# Altium PCB EBAZ4205.PcbDoc (part 1 of 6) (continued)
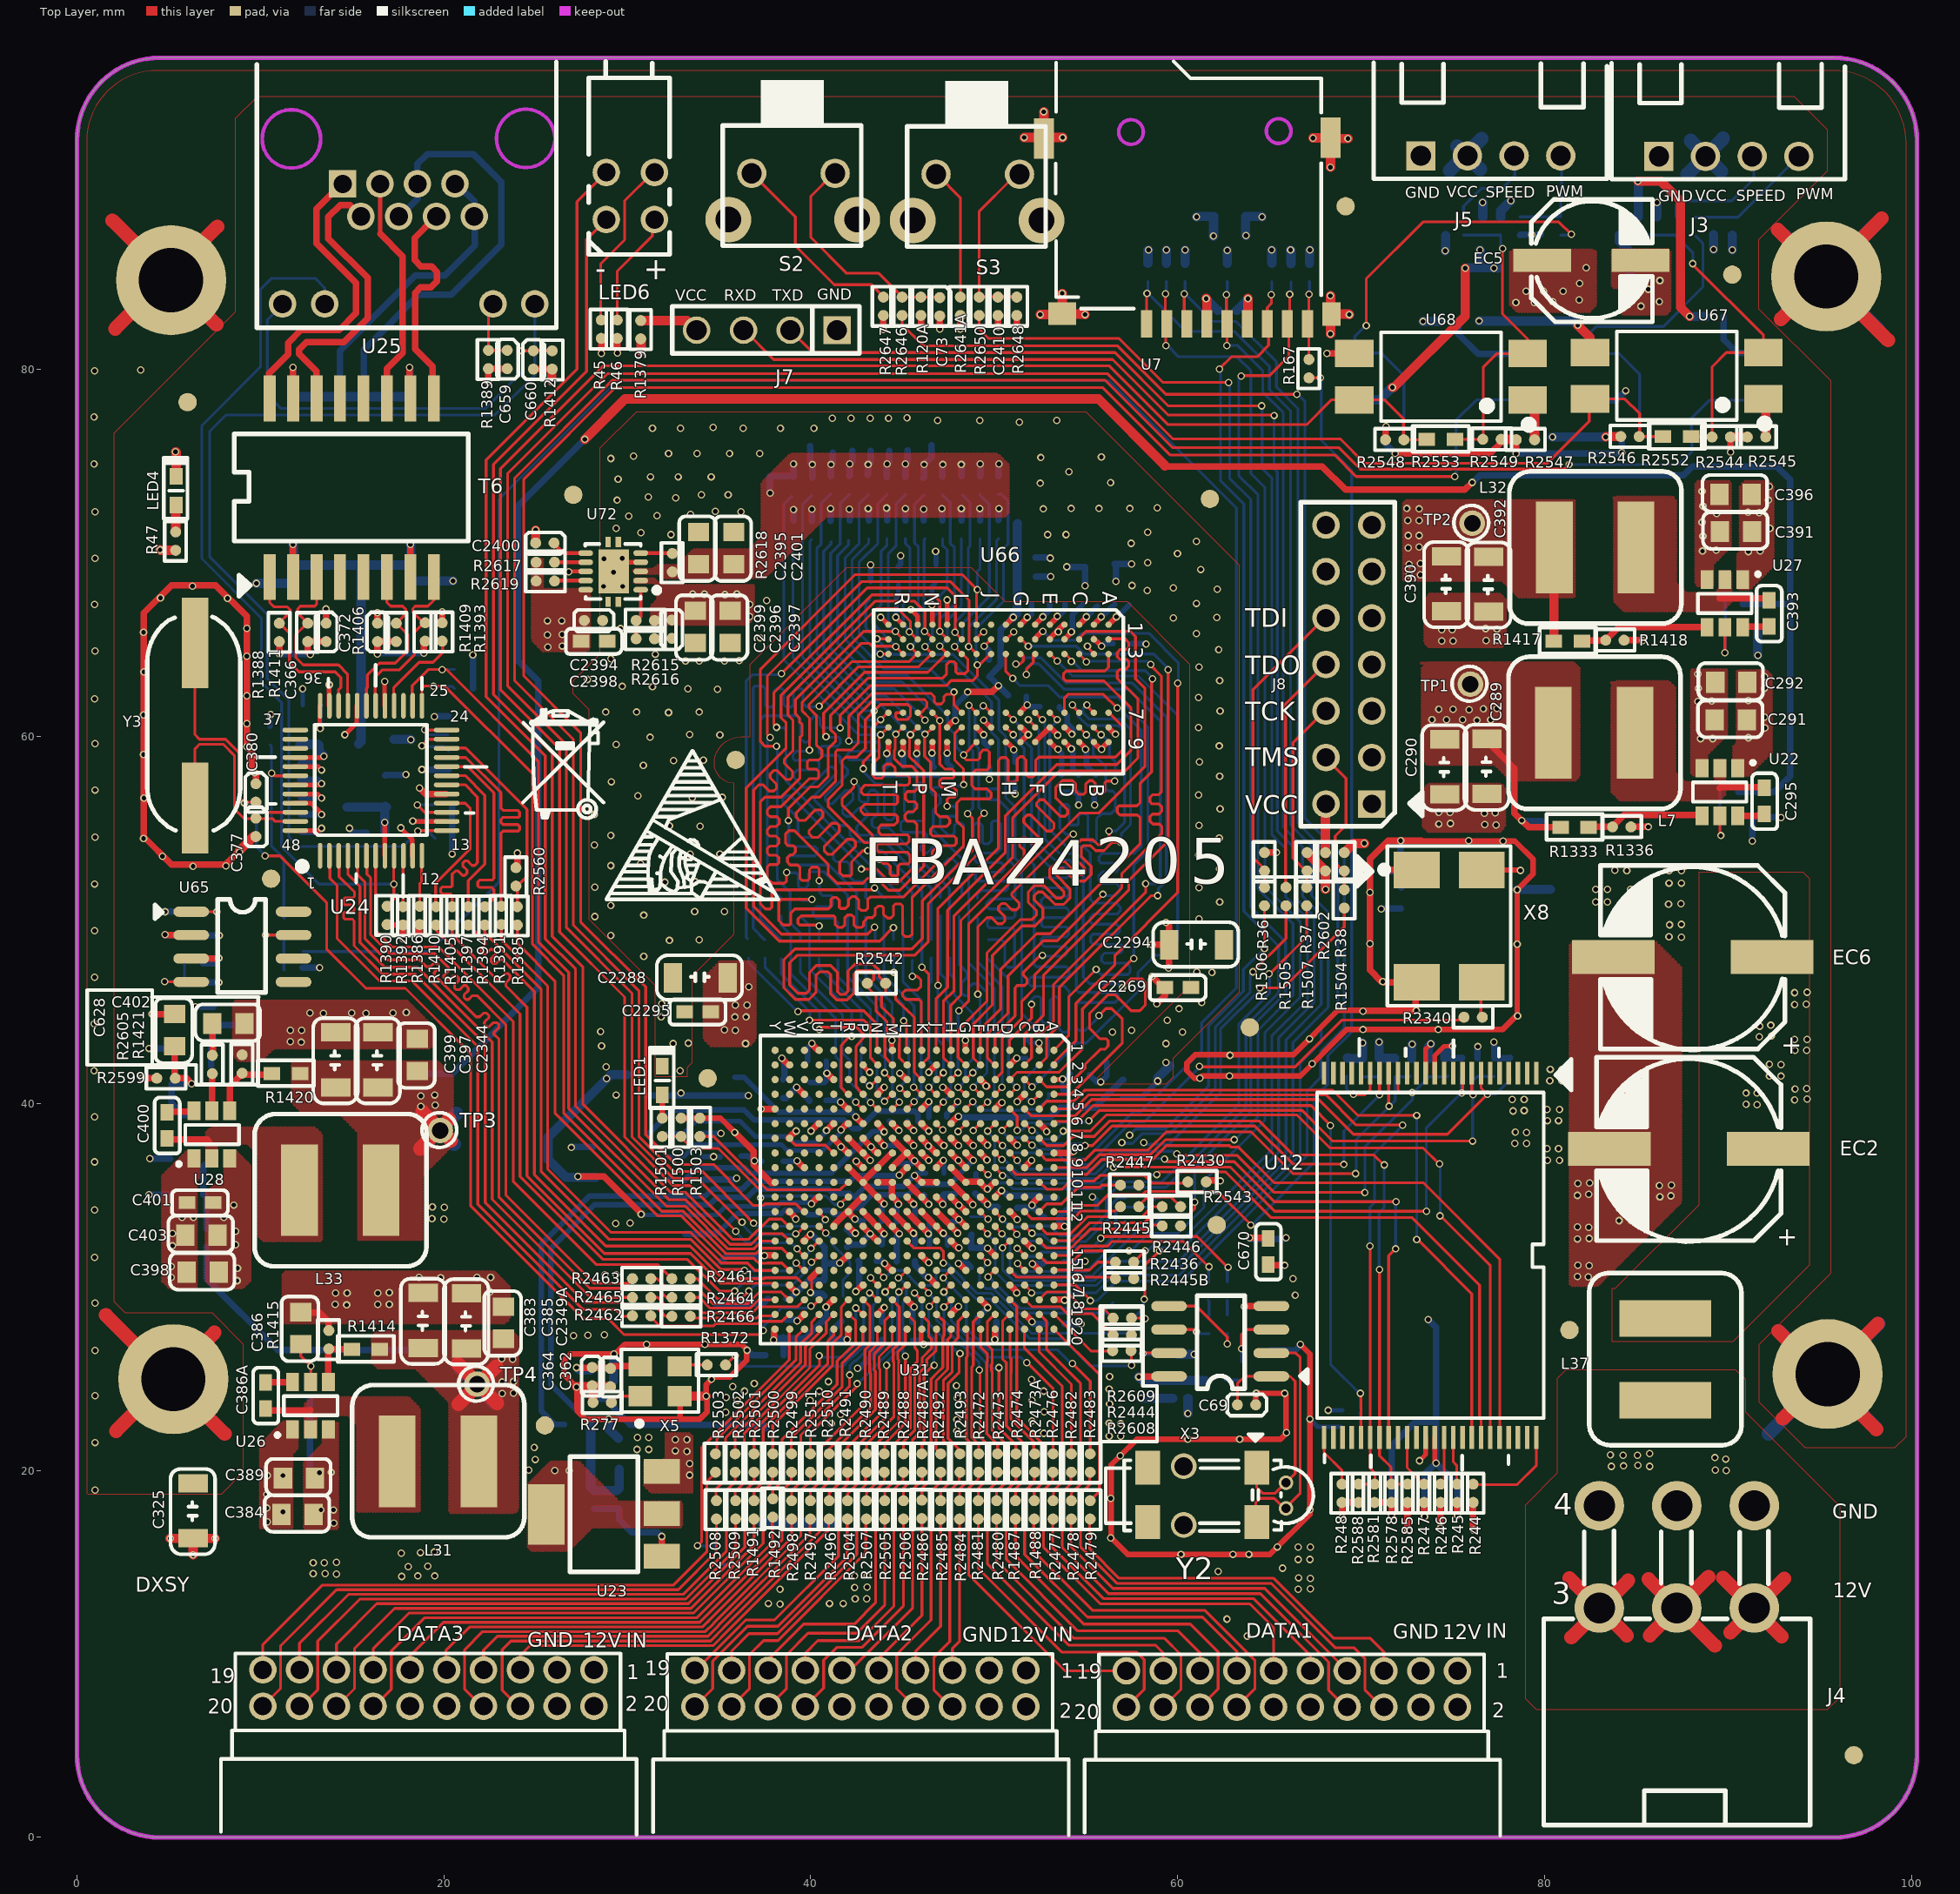
[diagram p0: Top Layer view]
## Components (designator, comment, footprint, x,y, rotation, side; value= is the part's Value field where it differs from the comment) (continued)
R2586 "20K 1%" 1 70.981,41.481 r90 bottom
R2587 "20K 1%" 1 71.856,41.456 r90 bottom
R2588 "20K 1%" 1 69.856,18.256 r90 top
R2590 "20K 1%" 1 76.331,41.481 r90 bottom
R2598 "20K 1%" 1 73.656,41.456 r90 bottom
R2599 "10K 1%" 1 4.356,41.381 r0 top
R2602 "0R 1%" 1 68.056,52.681 r90 top
R2603 "0R 1%" 1 89.556,56.981 r0 bottom
R2604 "0R 1%" 1 89.856,67.231 r0 bottom
R2605 "0R 1%" 1 7.381,41.631 r90 top
R2608 "NC" 1 56.456,26.531 r0 top
R2609 "NC" 1 56.481,28.306 r0 top
R2615 "NC" 1 30.481,66.331 r0 top
R2616 "NC" 1 30.481,65.331 r0 top
R2617 "NC" 1 25.031,69.506 r0 top
R2618 "NC" 1 32.456,68.981 r90 top
R2619 "NC" 1 25.031,68.481 r0 top
R2621 "NC" 1 47.106,70.781 r90 bottom
R2622 "NC" 1 42.106,73.206 r90 bottom
R2623 "NC" 1 46.181,73.181 r90 bottom
R2624 "NC" 1 46.156,70.781 r90 bottom
R2625 "NC" 1 41.106,73.206 r90 bottom
R2626 "NC" 1 45.156,70.781 r90 bottom
R2627 "NC" 1 39.056,70.781 r90 bottom
R2628 "NC" 1 45.156,73.206 r90 bottom
R2629 "NC" 1 39.056,73.181 r90 bottom
R2630 "NC" 1 44.156,70.781 r90 bottom
R2631 "NC" 1 43.156,70.781 r90 bottom
R2632 "NC" 1 40.056,70.756 r90 bottom
R2633 "NC" 1 42.131,70.781 r90 bottom
R2634 "NC" 1 44.156,73.206 r90 bottom
R2635 "NC" 1 40.081,73.206 r90 bottom
R2636 "NC" 1 47.181,73.181 r90 bottom
R2637 "NC" 1 41.081,70.756 r90 bottom
R2638 "NC" 1 48.147,70.781 r90 bottom
R2639 "NC" 1 50.231,73.206 r90 bottom
R2640 "NC" 1 50.231,70.806 r90 bottom
R2641 "NC" 1 49.231,73.206 r90 bottom
R2641A "0R 1%" 1 48.156,82.956 r90 top
R2642 "NC" 1 49.189,70.781 r90 bottom
R2643 "NC" 1 48.206,73.206 r90 bottom
R2644 "NC" 1 43.131,73.206 r90 bottom
R2645 "4.7K 1%" 1 43.256,67.456 r90 bottom
R2646 "0R 1%" 1 44.981,82.956 r90 top
R2647 "0R 1%" 1 43.956,82.956 r90 top
R2648 "10K 1%" 1 51.231,82.956 r90 top
R2650 "0R 1%" 1 49.181,82.956 r90 top
R2800 "10K 1%" 1 7.431,45.281 r270 bottom
R3555 "1K 1%" 1 74.306,82.681 r0 bottom
S2 "6*6*5MM" 32 35.506,88.181 r0 top
S3 "NC" 32 45.556,88.131 r0 top
T6 "BT16B03" 15 10.506,68.706 r0 top
TP1 "3V3" 30 75.956,62.856 r0 top
TP2 "VDD_1V5" 30 76.056,71.631 r0 top
TP3 "1V8" 30 19.806,38.531 r0 top
TP4 "1V9" 30 21.806,24.706 r0 top
U7 "NC" 16 58.306,82.506 r0 top
U12 "W29N01HVSINA" 14 79.556,41.656 r0 top
U20 "MMBT3904/1AM" 41 6.956,37.006 r180 bottom
U21 "MMBT3904/1AM" 41 5.156,41.081 r90 bottom
U22 "J37I" 10 90.531,58.281 r0 top
U23 "NC" 26 31.881,15.331 r0 top
U24 "IP101GA" 13 13.256,53.506 r0 top
U25 "RJ45" 35 14.481,90.131 r0 top
U26 "J37I" 10 11.756,22.231 r180 top
U27 "J37I" 10 90.806,68.556 r0 top
U28 "J37I" 10 6.381,37.006 r180 top
U30 "ACOI" 41 38.056,14.956 r180 bottom
U31 "XC7Z010-1CLG400I" BGA400X20 53.256,42.906 r270 top
U65 "SGM706-SYS8" 11 6.231,50.456 r0 top
U66 "EM6GD16EWKG-12H" BGA256X16 56.233,66.103 r270 top
U67 "EL817" 17 91.931,78.406 r0 top
U68 "EL817" 17 79.081,78.356 r0 top
U69 "PC817" 17 91.981,80.881 r0 bottom
U70 "PC817" 17 79.106,80.881 r0 bottom
U72 "NC" 12 30.731,68.006 r0 top
X3 "NC" 11 65.106,25.131 r180 top
X5 "NC" 25 30.706,24.056 r0 top
X8 "33.333MHZ" 23 73.031,52.731 r0 top
Y2 "NC" 27 64.306,20.156 r0 top
Y3 "25.000MHZ" 28 6.431,56.106 r0 top

## Footprints (in the part's own frame and the unit in brackets; to place one, negate y for a bottom-side part, rotate by r counter-clockwise, add the part's x,y. Pads: shape width x height; smd on the part's side, far side on the other; paste and mask are expansions set on the pad)
1 [mm]
  round 0.6 smd: 1(0,0) 2(1,0)
  silkscreen extent -0.58,-0.58 1.57,0.6
2 [mm]
  rect 1x1.15 smd: 1(0,0) 2(1.75,0)
  silkscreen extent -0.92,-0.95 2.6,1.05
3 [mm]
  round 0.6 smd: 1(0,0) 2(0,1)
  silkscreen extent -0.58,-0.55 0.6,1.6
6 [mm]
  rect 0.9x0.7 smd: 1(0,0) 2(1.425,0)
  silkscreen extent -0.82,-0.7 2.22,0.67
7 [mm]
  rect 0.9x0.7 smd: 1(0,0) 2(1.525,0)
  silkscreen extent -0.77,-0.67 2.3,0.72
8 [mm]
  rect 0.7x0.9 smd: 1(0,-1.55) 2(0,0)
  silkscreen extent -0.67,-2.3 0.63,1.02
9 [mm]
  rect 1x1.6 smd: 1(0,0) 2(3,0)
  silkscreen extent -0.88,-1.2 3.77,1.22
10 [mm]
  rect 0.7x1 smd: 1(0,0) 2(-0.975,0) 3(-1.95,0) 4(-1.95,-2.6) 5(-0.975,-2.6) 6(0,-2.6)
  silkscreen extent -2.45,-1.83 0.9,0.38
11 [mm]
  oval 1.95x0.55 smd: 1(0,0) 2(0,-1.275) 3(0,-2.55) 4(0,-3.825) 5(5.575,-3.825) 6(5.575,-2.55) 7(5.575,-1.275) 8(5.575,0)
  silkscreen extent -1.97,-4.4 4.05,0.68
12 [mm]
  oval 0.8x0.3 smd: 1(0,0) 2(0,0.5) 3(0,1) 4(0,1.5) 5(0,2) 6(-3,2) 7(-3,1.5) 8(-3,1) 9(-3,0.5) 10(-3,0)
  rect 0.3x0.55 smd: 11(-1.775,-0.65) 12(-1.225,-0.65) 13(-1.225,2.6) 14(-1.775,2.6)
  rect 1.65x2.4 smd: 15(-1.475,1)
  silkscreen extent -3.03,-0.5 1.02,2.5
13 [mm]
  oval 0.25x1.4 smd: 1(0,0) 2(0.505,0) 3(1.009,0) 4(1.514,0) 5(2.018,0) 6(2.523,0) 7(3.027,0) 8(3.532,0) 9(4.036,0) 10(4.541,0) 11(5.045,0) 12(5.55,0) 25(5.55,8.175) 26(5.045,8.175) 27(4.541,8.175) 28(4.036,8.175) 29(3.532,8.175) 30(3.027,8.175) 31(2.523,8.175) 32(2.018,8.175) 33(1.514,8.175) 34(1.009,8.175) 35(0.505,8.175) 36(0,8.175)
  oval 1.4x0.25 smd: 13(6.9,1.375) 14(6.9,1.873) 15(6.9,2.37) 16(6.9,2.868) 17(6.9,3.366) 18(6.9,3.864) 19(6.9,4.361) 20(6.9,4.859) 21(6.9,5.357) 22(6.9,5.855) 23(6.9,6.352) 24(6.9,6.85) 37(-1.35,6.85) 38(-1.35,6.352) 39(-1.35,5.855) 40(-1.35,5.357) 41(-1.35,4.859) 42(-1.35,4.361) 43(-1.35,3.864) 44(-1.35,3.366) 45(-1.35,2.868) 46(-1.35,2.37) 47(-1.35,1.873) 48(-1.35,1.375)
  silkscreen extent -3.47,-2.25 9.08,10.4
14 [mm]
  rect 0.25x1.25 smd: 1(0,0) 2(-0.503,0) 3(-1.007,0) 4(-1.51,0) 5(-2.013,0) 6(-2.516,0) 7(-3.02,0) 8(-3.523,0) 9(-4.026,0) 10(-4.529,0) 11(-5.033,0) 12(-5.536,0) 13(-6.039,0) 14(-6.542,0) 15(-7.046,0) 16(-7.549,0) 17(-8.052,0) 18(-8.555,0) 19(-9.059,0) 20(-9.562,0) 21(-10.065,0) 22(-10.568,0) 23(-11.072,0) 24(-11.575,0) 25(-11.575,-19.85) 26(-11.072,-19.85) 27(-10.568,-19.85) 28(-10.065,-19.85) 29(-9.562,-19.85) 30(-9.059,-19.85) 31(-8.555,-19.85) 32(-8.052,-19.85) 33(-7.549,-19.85) 34(-7.046,-19.85) 35(-6.542,-19.85) 36(-6.039,-19.85) 37(-5.536,-19.85) 38(-5.033,-19.85) 39(-4.529,-19.85) 40(-4.026,-19.85) 41(-3.523,-19.85) 42(-3.02,-19.85) 43(-2.516,-19.85) 44(-2.013,-19.85) 45(-1.51,-19.85) 46(-1.007,-19.85) 47(-0.503,-19.85) 48(0,-19.85)
  silkscreen extent -11.95,-21.63 1.9,1.87
15 [mm]
  rect 0.65x2.5 smd: 1(0,0) 2(1.279,0) 3(2.557,0) 4(3.836,0) 5(5.114,0) 6(6.393,0) 7(7.671,0) 8(8.95,0) 9(8.95,9.725) 10(7.671,9.725) 11(6.393,9.725) 12(5.114,9.725) 13(3.836,9.725) 14(2.557,9.725) 15(1.279,9.725) 16(0,9.725)
  silkscreen extent -1.92,-1.05 10.82,7.8
16 [mm]
  rect 0.6x1.5 smd: 1(0,0) 2(1.097,0) 3(2.194,0) 4(3.291,0) 5(4.387,0) 6(5.484,0) 7(6.581,0) 8(7.678,0) 9(8.775,0)
  rect 1x1.3 smd: 10(10.075,0.525)
  rect 1.1x2.2 smd: 11(10.025,10.15) 12(-5.6,10.1)
  rect 1.5x1.25 smd: 13(-4.6,0.55)
  silkscreen extent -4.95,0.82 9.53,14.3
17 [mm]
  rect 2.1x1.5 smd: 1(0,0) 2(0,2.525) 3(-9.45,2.525) 4(-9.45,0)
  silkscreen extent -8,-1.54 0.25,3.67
21 [mm]
  rect 2x5 smd: 1(0,0) 2(4.45,0)
  silkscreen extent -2.45,-4.15 6.93,4.15
23 [mm]
  rect 2.5x2 smd: 1(0,0) 2(0,-6.125) 3(3.55,-6.125) 4(3.55,0)
  silkscreen extent -3.27,-7.4 5.12,1.3
24 [mm]
  rect 4.5x1.85 smd: 1(0,0) 2(-8.65,0)
  silkscreen extent -9.35,-5.05 0.7,5
25 [mm]
  rect 1.3x1.1 smd: 1(0,0) 2(0,1.625) 3(2.15,1.625) 4(2.15,0)
  silkscreen extent -1.02,-1.63 3.17,2.55
26 [mm]
  rect 1.95x1.35 smd: 1(0,0) 2(0,2.312) 3(0,4.625)
  rect 2x3.3 smd: 4(-6.3,2.275)
  silkscreen extent -5,-0.85 -1.3,5.43
27 [mm]
  rect 1.35x1.85 smd: 1(0,0) 2(0,-2.975) 3(-5.95,-2.975) 4(-5.95,0)
  round 1.4 hole 1: 5(-3.975,0.075) 6(-3.975,-3.125)
  round 0.8 hole 0.5: 7(1.6,-2.225) 8(1.6,-0.825)
  silkscreen extent -8.23,-3.45 3.09,1.83
28 [mm]
  rect 1.45x4.95 smd: 1(0,0) 2(0,9)
  silkscreen extent -2.6,-1.22 2.47,10.43
29 [mm]
  rect 3.15x1.25 smd: 1(0,0) 2(5.35,0)
  silkscreen extent -0.6,-3.35 6,3.32
30 [mm]
  round 1.4 hole 0.9: 1(0,0)
  silkscreen extent -1,-0.92 0.9,0.97
31 [mm]
  rect 1.6x1.6 / inner round 1.6 / far side rect 1.6x1.6 hole 1.1: 1(0,0)
  round 1.6 hole 1.1: 2(2.542,0) 3(5.083,0) 4(7.625,0)
  silkscreen extent -2.57,-1.25 10.15,5.07
32 [mm]
  round 2.5 hole 1.4: 1(0,0) 2(7.025,0)
  round 1.6 hole 1.1: 3(5.825,2.525) 4(1.275,2.525)
  silkscreen extent -0.3,-1.43 7.25,7.6
33 [mm]
  rect 1.5x1.5 / inner round 1.5 / far side rect 1.5x1.5 hole 1.1: 1(0,0)
  round 1.5 hole 1.1: 2(-2.55,0) 3(-5.1,0) 4(-7.65,0)
  silkscreen extent -8.97,-1.28 1.23,1.3
34 [mm]
  round 1.5 hole 1: 1(0,0) 2(0,2.575) 3(-2.625,2.575) 4(-2.625,0)
  silkscreen extent -3.58,-1.9 0.82,8.62
35 [mm]
  rect 1.5x1.5 / inner round 1.5 / far side rect 1.5x1.5 hole 1: 1(0,0)
  round 1.5 hole 1: 2(1,-1.775) 3(2.042,0) 4(3.058,-1.775) 5(4.083,0) 6(5.117,-1.775) 7(6.125,0) 8(7.175,-1.775) 9(10.475,-6.55) 10(8.2,-6.55) 11(-0.975,-6.55) 12(-3.275,-6.55)
  Keep-Out Layer circle w0.2: c-2.791,2.45 r1.591
  Keep-Out Layer circle w0.2: c9.984,2.475 r1.591
  silkscreen extent -4.67,-7.85 11.65,6.65
36 [mm]
  rect 1.5x1.5 hole 1: 1(0,0)
  round 1.5 hole 1: 2(-2.5,0) 3(0,2.533) 4(-2.5,2.533) 5(0,5.067) 6(-2.5,5.067) 7(0,7.6) 8(-2.5,7.6) 9(0,10.133) 10(-2.5,10.133) 11(0,12.667) 12(-2.5,12.667) 13(0,15.2) 14(-2.5,15.2)
  silkscreen extent -3.88,-1.23 2.75,16.45
37 [mm]
  round 1.5 hole 1: 1(0,0) 2(0,-1.975) 3(-2.006,0) 4(-2.006,-1.975) 5(-4.011,0) 6(-4.011,-1.975) 7(-6.017,0) 8(-6.017,-1.975) 9(-8.022,0) 10(-8.022,-1.975) 11(-10.028,0) 12(-10.028,-1.975) 13(-12.033,0) 14(-12.033,-1.975) 15(-14.039,0) 16(-14.039,-1.975) 17(-16.044,0) 18(-16.044,-1.975) 19(-18.05,0) 20(-18.05,-1.975)
  silkscreen extent -20.32,-8.97 2.33,0.9
38 [mm]
  round 2.7 hole 1.7: 1(0,0) 2(0,5.575) 3(-4.225,0) 4(-4.225,5.575) 5(-8.45,0) 6(-8.45,5.575)
  silkscreen extent -11.47,-11.83 3.05,4.2
39 [mm]
  rect 1.3x0.9 smd: 1(0,0) 2(0,-1.875)
  silkscreen extent -0.95,-2.6 0.88,0.65
40 [mm]
  rect 0.7x0.9 smd: 1(0,0) 2(0,-1.575)
  silkscreen extent -0.8,-2.22 0.7,0.77
41 [mm]
  rect 0.95x1.35 smd: 1(0,0) 2(1.875,0) 3(0.975,2.15)
  silkscreen extent -0.8,0.2 2.5,1.9
42 [mm]
  rect 2.75x3.85 smd: 1(0,0) 2(8.025,0)
  silkscreen extent -1.78,-3.08 9.95,3.03
43 [mm]
  rect 1.1x1.7 smd: 1(0,0) 2(3.025,0)
  silkscreen extent -0.85,-1.27 3.85,1.13
44 [mm]
  rect 1.1x1.7 smd: 1(0,0) 2(3.025,0)
  silkscreen extent -0.82,-1.27 3.82,1.12
BGA256X16 [mm]
  round 0.35 smd: A1(0,0) A2(0.8,0) A3(1.6,0) A7(4.8,0) A8(5.6,0) A9(6.4,0) B1(0,-0.8) B2(0.8,-0.8) B3(1.6,-0.8) B7(4.8,-0.8) B8(5.6,-0.8) B9(6.4,-0.8) C1(0,-1.6) C2(0.8,-1.6) C3(1.6,-1.6) C7(4.8,-1.6) C8(5.6,-1.6) C9(6.4,-1.6) D1(0,-2.4) D2(0.8,-2.4) D3(1.6,-2.4) D7(4.8,-2.4) D8(5.6,-2.4) D9(6.4,-2.4) E1(0,-3.2) E2(0.8,-3.2) E3(1.6,-3.2) E7(4.8,-3.2) E8(5.6,-3.2) E9(6.4,-3.2) F1(0,-4) F2(0.8,-4) F3(1.6,-4) F7(4.8,-4) F8(5.6,-4) F9(6.4,-4) G1(0,-4.8) G2(0.8,-4.8) G3(1.6,-4.8) G7(4.8,-4.8) G8(5.6,-4.8) G9(6.4,-4.8) H1(0,-5.6) H2(0.8,-5.6) H3(1.6,-5.6) H7(4.8,-5.6) H8(5.6,-5.6) H9(6.4,-5.6) J1(0,-6.4) J2(0.8,-6.4) J3(1.6,-6.4) J7(4.8,-6.4) J8(5.6,-6.4) J9(6.4,-6.4) K1(0,-7.2) K2(0.8,-7.2) K3(1.6,-7.2) K7(4.8,-7.2) K8(5.6,-7.2) K9(6.4,-7.2) L1(0,-8) L2(0.8,-8) L3(1.6,-8) L7(4.8,-8) L8(5.6,-8) L9(6.4,-8) M1(0,-8.8) M2(0.8,-8.8) M3(1.6,-8.8) M7(4.8,-8.8) M8(5.6,-8.8) M9(6.4,-8.8) N1(0,-9.6) N2(0.8,-9.6) N3(1.6,-9.6) N7(4.8,-9.6) N8(5.6,-9.6) N9(6.4,-9.6) P1(0,-10.4) P2(0.8,-10.4) P3(1.6,-10.4) P7(4.8,-10.4) P8(5.6,-10.4) P9(6.4,-10.4) R1(0,-11.2) R2(0.8,-11.2) R3(1.6,-11.2) R7(4.8,-11.2) R8(5.6,-11.2) R9(6.4,-11.2) T1(0,-12) T2(0.8,-12) T3(1.6,-12) T7(4.8,-12) T8(5.6,-12) T9(6.4,-12)
  silkscreen extent -0.8,-12.8 8.13,0.8
BGA400X20 [mm]
  round 0.4 smd: A1(0,0) A2(0.8,0) A3(1.6,0) A4(2.4,0) A5(3.2,0) A6(4,0) A7(4.8,0) A8(5.6,0) A9(6.4,0) A10(7.2,0) A11(8,0) A12(8.8,0) A13(9.6,0) A14(10.4,0) A15(11.2,0) A16(12,0) A17(12.8,0) A18(13.6,0) A19(14.4,0) A20(15.2,0) B1(0,-0.8) B2(0.8,-0.8) B3(1.6,-0.8) B4(2.4,-0.8) B5(3.2,-0.8) B6(4,-0.8) B7(4.8,-0.8) B8(5.6,-0.8) B9(6.4,-0.8) B10(7.2,-0.8) B11(8,-0.8) B12(8.8,-0.8) B13(9.6,-0.8) B14(10.4,-0.8) B15(11.2,-0.8) B16(12,-0.8) B17(12.8,-0.8) B18(13.6,-0.8) B19(14.4,-0.8) B20(15.2,-0.8) C1(0,-1.6) C2(0.8,-1.6) C3(1.6,-1.6) C4(2.4,-1.6) C5(3.2,-1.6) C6(4,-1.6) C7(4.8,-1.6) C8(5.6,-1.6) C9(6.4,-1.6) C10(7.2,-1.6) C11(8,-1.6) C12(8.8,-1.6) C13(9.6,-1.6) C14(10.4,-1.6) C15(11.2,-1.6) C16(12,-1.6) C17(12.8,-1.6) C18(13.6,-1.6) C19(14.4,-1.6) C20(15.2,-1.6) D1(0,-2.4) D2(0.8,-2.4) D3(1.6,-2.4) D4(2.4,-2.4) D5(3.2,-2.4) D6(4,-2.4) D7(4.8,-2.4) D8(5.6,-2.4) D9(6.4,-2.4) D10(7.2,-2.4) D11(8,-2.4) D12(8.8,-2.4) D13(9.6,-2.4) D14(10.4,-2.4) D15(11.2,-2.4) D16(12,-2.4) D17(12.8,-2.4) D18(13.6,-2.4) D19(14.4,-2.4) D20(15.2,-2.4) E1(0,-3.2) E2(0.8,-3.2) E3(1.6,-3.2) E4(2.4,-3.2) E5(3.2,-3.2) E6(4,-3.2) E7(4.8,-3.2) E8(5.6,-3.2) E9(6.4,-3.2) E10(7.2,-3.2) E11(8,-3.2) E12(8.8,-3.2) E13(9.6,-3.2) E14(10.4,-3.2) E15(11.2,-3.2) E16(12,-3.2) E17(12.8,-3.2) E18(13.6,-3.2) E19(14.4,-3.2) E20(15.2,-3.2) F1(0,-4) F2(0.8,-4) F3(1.6,-4) F4(2.4,-4) F5(3.2,-4) F6(4,-4) F7(4.8,-4) F8(5.6,-4) F9(6.4,-4) F10(7.2,-4) F11(8,-4) F12(8.8,-4) F13(9.6,-4) F14(10.4,-4) F15(11.2,-4) F16(12,-4) F17(12.8,-4) F18(13.6,-4) F19(14.4,-4) F20(15.2,-4) G1(0,-4.8) G2(0.8,-4.8) G3(1.6,-4.8) G4(2.4,-4.8) G5(3.2,-4.8) G6(4,-4.8) G7(4.8,-4.8) G8(5.6,-4.8) G9(6.4,-4.8) G10(7.2,-4.8) G11(8,-4.8) G12(8.8,-4.8) G13(9.6,-4.8) G14(10.4,-4.8) G15(11.2,-4.8) G16(12,-4.8) G17(12.8,-4.8) G18(13.6,-4.8) G19(14.4,-4.8) G20(15.2,-4.8) H1(0,-5.6) H2(0.8,-5.6) H3(1.6,-5.6) H4(2.4,-5.6) H5(3.2,-5.6) H6(4,-5.6) H7(4.8,-5.6) H8(5.6,-5.6) H9(6.4,-5.6) H10(7.2,-5.6) H11(8,-5.6) H12(8.8,-5.6) H13(9.6,-5.6) H14(10.4,-5.6) H15(11.2,-5.6) H16(12,-5.6) H17(12.8,-5.6) H18(13.6,-5.6) H19(14.4,-5.6) H20(15.2,-5.6) J1(0,-6.4) J2(0.8,-6.4) J3(1.6,-6.4) J4(2.4,-6.4) J5(3.2,-6.4) J6(4,-6.4) J7(4.8,-6.4) J8(5.6,-6.4) J9(6.4,-6.4) J10(7.2,-6.4) J11(8,-6.4) J12(8.8,-6.4) J13(9.6,-6.4) J14(10.4,-6.4) J15(11.2,-6.4) J16(12,-6.4) J17(12.8,-6.4) J18(13.6,-6.4) J19(14.4,-6.4) J20(15.2,-6.4) K1(0,-7.2) K2(0.8,-7.2) K3(1.6,-7.2) K4(2.4,-7.2) K5(3.2,-7.2) K6(4,-7.2) K7(4.8,-7.2) K8(5.6,-7.2) K9(6.4,-7.2) K10(7.2,-7.2) K11(8,-7.2) K12(8.8,-7.2) K13(9.6,-7.2) K14(10.4,-7.2) K15(11.2,-7.2) K16(12,-7.2) K17(12.8,-7.2) K18(13.6,-7.2) K19(14.4,-7.2) K20(15.2,-7.2) L1(0,-8) L2(0.8,-8) L3(1.6,-8) L4(2.4,-8) L5(3.2,-8) L6(4,-8) L7(4.8,-8) L8(5.6,-8) L9(6.4,-8) L10(7.2,-8) L11(8,-8) L12(8.8,-8) L13(9.6,-8) L14(10.4,-8) L15(11.2,-8) L16(12,-8) L17(12.8,-8) L18(13.6,-8) L19(14.4,-8) L20(15.2,-8) M1(0,-8.8) M2(0.8,-8.8) M3(1.6,-8.8) M4(2.4,-8.8) M5(3.2,-8.8) M6(4,-8.8) M7(4.8,-8.8) M8(5.6,-8.8) M9(6.4,-8.8) M10(7.2,-8.8) M11(8,-8.8) M12(8.8,-8.8) M13(9.6,-8.8) M14(10.4,-8.8) M15(11.2,-8.8) M16(12,-8.8) M17(12.8,-8.8) M18(13.6,-8.8) M19(14.4,-8.8) M20(15.2,-8.8) N1(0,-9.6) N2(0.8,-9.6) N3(1.6,-9.6) N4(2.4,-9.6) N5(3.2,-9.6) N6(4,-9.6) N7(4.8,-9.6) N8(5.6,-9.6) N9(6.4,-9.6) N10(7.2,-9.6) N11(8,-9.6) N12(8.8,-9.6) N13(9.6,-9.6) N14(10.4,-9.6) N15(11.2,-9.6) N16(12,-9.6) N17(12.8,-9.6) N18(13.6,-9.6) N19(14.4,-9.6) N20(15.2,-9.6) P1(0,-10.4) P2(0.8,-10.4) P3(1.6,-10.4) P4(2.4,-10.4) P5(3.2,-10.4) P6(4,-10.4) P7(4.8,-10.4) P8(5.6,-10.4) P9(6.4,-10.4) P10(7.2,-10.4) P11(8,-10.4) P12(8.8,-10.4) P13(9.6,-10.4) P14(10.4,-10.4) P15(11.2,-10.4) P16(12,-10.4) P17(12.8,-10.4) P18(13.6,-10.4) P19(14.4,-10.4) P20(15.2,-10.4) R1(0,-11.2) R2(0.8,-11.2) R3(1.6,-11.2) R4(2.4,-11.2) R5(3.2,-11.2) R6(4,-11.2) R7(4.8,-11.2) R8(5.6,-11.2) R9(6.4,-11.2) R10(7.2,-11.2) R11(8,-11.2) R12(8.8,-11.2) R13(9.6,-11.2) R14(10.4,-11.2) R15(11.2,-11.2) R16(12,-11.2) R17(12.8,-11.2) R18(13.6,-11.2) R19(14.4,-11.2) R20(15.2,-11.2) T1(0,-12) T2(0.8,-12) T3(1.6,-12) T4(2.4,-12) T5(3.2,-12) T6(4,-12) T7(4.8,-12) T8(5.6,-12) T9(6.4,-12) T10(7.2,-12) T11(8,-12) T12(8.8,-12) T13(9.6,-12) T14(10.4,-12) T15(11.2,-12) T16(12,-12) T17(12.8,-12) T18(13.6,-12) T19(14.4,-12) T20(15.2,-12) U1(0,-12.8) U2(0.8,-12.8) U3(1.6,-12.8) U4(2.4,-12.8) U5(3.2,-12.8) U6(4,-12.8) U7(4.8,-12.8) U8(5.6,-12.8) U9(6.4,-12.8) U10(7.2,-12.8) U11(8,-12.8) U12(8.8,-12.8) U13(9.6,-12.8) U14(10.4,-12.8) U15(11.2,-12.8) U16(12,-12.8) U17(12.8,-12.8) U18(13.6,-12.8) U19(14.4,-12.8) U20(15.2,-12.8) V1(0,-13.6) V2(0.8,-13.6) V3(1.6,-13.6) V4(2.4,-13.6) V5(3.2,-13.6) V6(4,-13.6) V7(4.8,-13.6) V8(5.6,-13.6) V9(6.4,-13.6) V10(7.2,-13.6) V11(8,-13.6) V12(8.8,-13.6) V13(9.6,-13.6) V14(10.4,-13.6) V15(11.2,-13.6) V16(12,-13.6) V17(12.8,-13.6) V18(13.6,-13.6) V19(14.4,-13.6) V20(15.2,-13.6) W1(0,-14.4) W2(0.8,-14.4) W3(1.6,-14.4) W4(2.4,-14.4) W5(3.2,-14.4) W6(4,-14.4) W7(4.8,-14.4) W8(5.6,-14.4) W9(6.4,-14.4) W10(7.2,-14.4) W11(8,-14.4) W12(8.8,-14.4) W13(9.6,-14.4) W14(10.4,-14.4) W15(11.2,-14.4) W16(12,-14.4) W17(12.8,-14.4) W18(13.6,-14.4) W19(14.4,-14.4) W20(15.2,-14.4) Y1(0,-15.2) Y2(0.8,-15.2) Y3(1.6,-15.2) Y4(2.4,-15.2) Y5(3.2,-15.2) Y6(4,-15.2) Y7(4.8,-15.2) Y8(5.6,-15.2) Y9(6.4,-15.2) Y10(7.2,-15.2) Y11(8,-15.2) Y12(8.8,-15.2) Y13(9.6,-15.2) Y14(10.4,-15.2) Y15(11.2,-15.2) Y16(12,-15.2) Y17(12.8,-15.2) Y18(13.6,-15.2) Y19(14.4,-15.2) Y20(15.2,-15.2)
  silkscreen extent -0.8,-16 16,0.8

## Free pads (board coordinates)
  round 6 hole 3.5: 1(95.356,85.081) 2(95.431,25.256) 3(5.256,24.981) 4(5.131,84.881)
  round 1 smd far side: ""(4.831,7.456) ""(6.056,78.156) ""(90.306,85.281) ""(97.106,4.681)
  round 1 smd: ""(6.031,78.231) ""(10.581,52.256) ""(25.506,22.456) ""(27.056,73.181) ""(34.381,41.381) ""(35.906,58.731) ""(61.756,72.956) ""(62.131,33.381) ""(63.931,44.156) ""(69.156,88.906) ""(81.356,27.656) ""(90.231,85.181) ""(96.856,4.481)

## Via types
v1: diameter 0.406, hole 0.254, Top Layer to Bottom Layer, 1172 vias
v2: diameter 0.406, hole 0.254, Top Layer to Bottom Layer, tented both sides, 70 vias

## Nets (pads, with @x,y where several pads share a name; then routed paths per layer and width w, separated by ;. In a path a pad name is that pad's centre, name@x,y a point inside that pad or via, vN(x,y) a via of type N, cw(c..) or ccw(c..) an arc to the next point about the centre after c; other vN are vias at no path point)
#CE_0: R1359.1 U12.9 U31.E6 | length 36.8
  Top Layer w0.152: v1@49.606,38.506 v1(49.633,38.506) U31.E6@50.04,38.912 ; v1@56.456,36.556 56.481,36.531 v1(56.506,36.531) 58.681,36.531 58.687,36.537 62.874,36.537 65.281,34.131 v1(73.556,34.131) ; v1(75.481,40.581) 75.53,40.63 U12.9@75.53,41.656
  Bottom Layer w0.152: v1(49.633,38.506) 49.633,38.453 50.031,38.056 50.031,36.681 50.224,36.487 50.64,36.487 51.209,35.919 55.644,35.919 56.231,36.506 v1@56.431,36.506 ; v1(73.556,34.131) 73.556,38.681 v1@75.456,40.581 ; v1@75.456,40.681 R1359.1@75.456,41.481
#RE_0: R2583.1 R2590.1 U12.8 U31.D5 | length 33.1
  Top Layer w0.152: U31.D5@50.844,39.711 51.256,39.299 v1@51.256,38.506 ; v1@55.156,39.031 v1(55.156,39.056) 55.735,39.635 66.777,39.635 68.456,37.956 v1(76.081,37.956) ; U12.8@76.033,41.656 76.033,40.553 v1(76.106,40.481)
  Bottom Layer w0.152: v1(51.256,38.545) 51.481,38.545 51.887,38.952 52.224,38.952 52.295,38.881 53.506,38.881 53.606,38.981 v1@55.156,38.981 ; v1(76.081,37.956) 76.081,41.231 R2590.1@76.331,41.481 ; R2590.1@76.381,41.481 R2583.1@77.256,41.481
#WE_0: R2579.1 R2586.1 U12.18 U31.D6 | length 28.5
  Top Layer w0.152: v1(50.431,38.531) 50.812,38.912 U31.D6@50.844,38.912 ; v1@54.956,37.581 55.081,37.706 55.356,37.706 56.431,38.781 64.206,38.781 66.281,36.706 69.031,36.706 v1(69.056,36.681) ; v1@54.966,37.643 v1@54.966,37.668 ; U12.18@71,41.656 71,40.486 v1(71.006,40.481)
  Bottom Layer w0.152: v1(50.431,38.531) 50.431,38.481 50.772,38.139 51.09,38.139 52.227,38.139 52.56,37.806 54.156,37.806 54.162,37.812 54.774,37.812 v1@54.906,37.681 ; v1(69.056,36.681) 69.056,38.506 70.981,40.431 R2586.1@70.981,41.481 ; R2579.1@70.081,41.456 R2586.1@70.931,41.456
  other v1: 54.956,37.706
ALE_0: R2580.1 R2587.1 U12.17 U31.B8 | length 27.7
  Top Layer w0.152: U31.B8@52.452,37.315 52.706,37.061 52.706,37.056 52.831,36.931 54.956,36.931 55.489,37.464 58.389,37.464 59.381,38.456 64.006,38.456 66.281,36.181 v1(69.706,36.181) ; U12.17@71.504,41.656 71.504,39.883 v1(71.531,39.856)
  Bottom Layer w0.152: v1@69.731,36.281 69.731,38.031 71.856,40.156 R2587.1@71.856,41.456 72.631,41.456 R2580.1@72.681,41.506
CLE_0: R2582.1 R2598.1 U12.16 U31.D8 | length 31.6
  Top Layer w0.152: U31.D8@50.844,37.315 51.253,36.906 v1(51.256,36.906) ; v1@59.931,37.181 63.231,37.181 65.256,35.156 v1(70.206,35.156) ; U12.16@72.007,41.656 72.007,40.729 72.131,40.606 v1(72.781,40.606)
  Bottom Layer w0.152: v1(51.256,36.906) 51.256,36.831 51.66,36.427 55.402,36.427 56.381,37.406 59.731,37.406 v1@59.931,37.206 ; v1(70.206,35.156) 70.206,37.631 72.806,40.231 v1@72.806,40.581 ; v1@72.856,40.606 R2598.1@73.681,41.431 ; R2598.1@73.656,41.456 74.681,41.456 R2582.1@74.731,41.506
  other v1: 59.956,37.256
CLK_0: R2340.1 U31.E7 | length 29.5
  Top Layer w0.152: U31.E7@50.04,38.113 50.448,37.706 v1(50.456,37.706) ; v1(61.181,42.031) 61.206,42.006 66.406,42.006 68.956,44.556 75.456,44.556 R2340.1@75.606,44.706
  Bottom Layer w0.152: v1@50.456,37.631 v1(50.456,37.706) 50.849,37.312 52.199,37.312 52.26,37.252 53.46,37.252 54.031,36.681 55.156,36.681 57.481,39.006 58.206,39.006 v1@61.156,41.956
DATA1-5_0: R2479.2 U31.A20 | length 10.6
  Top Layer w0.152: U31.A20@53.256,27.706 55.731,25.231 55.731,18.856 R2479.2@55.231,18.356
DATA1-6_0: R2483.2 U31.H16 | length 15.7
  Top Layer w0.152: v1(47.231,30.506) 47.231,30.528 U31.H16@47.628,30.925 ; v2(54.256,25.831) 55.231,24.856 R2483.2@55.231,20.906
  Bottom Layer w0.152: v1@47.256,30.431 48.481,29.206 48.481,27.756 49.656,26.581 53.431,26.581 v2@54.256,25.756
DATA1-7_0: R2478.2 U31.B19 | length 11.3
  Top Layer w0.152: U31.B19@52.452,28.529 52.856,28.125 52.856,26.581 54.706,24.731 54.706,19.256 54.206,18.756 R2478.2@54.206,18.356
DATA1-8_0: R2482.2 U31.B20 | length 7.6
  Top Layer w0.152: U31.B20@52.452,27.731 52.452,26.46 54.206,24.706 R2482.2@54.206,20.906
DATA1-9_0: R2477.2 U31.C20 | length 10.4
  Top Layer w0.152: U31.C20@51.648,27.731 51.648,26.663 53.706,24.606 53.706,19.381 53.231,18.906 R2477.2@53.231,18.356
DATA1-11_0: R2476.2 U31.H17 | length 13
  Top Layer w0.152: v1(47.256,29.731) 47.256,29.754 U31.H17@47.628,30.127 ; v2(51.781,25.881) 51.806,25.881 53.206,24.481 R2476.2@53.206,20.906
  Bottom Layer w0.152: v1(47.256,29.731) 47.256,29.631 47.656,29.231 47.656,28.181 49.656,26.181 51.431,26.181 v2@51.806,25.806
DATA1-13_0: R2473A.2 U31.D20 | length 7.4
  Top Layer w0.152: U31.D20@50.881,27.706 50.856,27.681 50.856,26.156 50.916,26.095 50.916,25.332 50.91,25.326 50.91,22.802 52.156,21.556 52.156,20.956 R2473A.2@52.206,20.906
DATA1-14_0: R1488.2 U31.D18 | length 12
  Top Layer w0.152: U31.D18@50.844,29.328 51.231,28.941 51.231,22.881 52.706,21.406 52.706,19.406 52.181,18.881 R1488.2@52.181,18.356
DATA1-15_0: R2474.2 U31.H18 | length 10.4
  Top Layer w0.152: v1(47.256,28.906) 47.628,29.278 U31.H18@47.628,29.328 ; v1(50.256,25.606) 50.256,22.331 51.181,21.406 R2474.2@51.181,20.906
  Bottom Layer w0.152: v1(47.256,28.906) 47.256,28.181 48.394,27.042 48.407,27.042 48.794,26.656 48.794,26.643 49.881,25.556 v1@50.206,25.556
DATA1-16_0: R1487.2 U31.D19 | length 11.1
  Top Layer w0.152: U31.D19@50.844,28.529 50.456,28.141 50.456,26.081 50.662,25.874 50.662,25.437 50.656,25.431 50.656,22.431 51.731,21.356 51.731,21.106 51.728,21.103 51.728,20.708 51.731,20.705 51.731,20.106 51.728,20.104 51.728,19.708 51.731,19.705 51.731,19.581 51.156,19.006 R1487.2@51.156,18.356
DATA1-17_0: R2473.2 U31.F20 | length 7.2
  Top Layer w0.152: U31.F20@49.256,27.681 49.256,26.731 49.631,26.356 49.631,25.915 49.595,25.879 49.595,22.016 50.181,21.431 R2473.2@50.181,20.906
DATA1-18_0: R2480.2 U31.E19 | length 11.1
  Top Layer w0.152: U31.E19@50.04,28.529 49.624,28.114 49.624,26.862 49.885,26.602 49.885,25.809 49.849,25.774 49.849,25.437 49.891,25.395 49.891,25.207 49.885,25.201 49.885,22.202 50.706,21.381 50.706,21.106 50.703,21.103 50.703,20.708 50.706,20.705 50.706,20.106 50.703,20.104 50.703,19.708 50.706,19.705 50.706,19.431 50.131,18.856 R2480.2@50.131,18.356
DATA1-19_0: R2472.2 U31.F19 | length 7.9
  Top Layer w0.152: R2472.2@49.156,20.906 49.156,21.415 48.777,21.794 48.777,25.65 48.856,25.729 48.856,28.106 U31.F19@49.231,28.481
DATA1-20_0: R2481.2 U31.K17 | length 13.7
  Top Layer w0.152: U31.K17@46.02,30.127 46.431,29.716 46.431,29.706 46.406,29.681 46.406,29.647 46.422,29.647 v1(46.422,29.676) ; R2481.2@49.131,18.356 49.131,19.031 49.656,19.556 49.656,21.406 49.231,21.831 49.231,25.481 49.229,25.482 v1(49.183,25.482)
  Bottom Layer w0.152: v1@46.431,29.656 46.856,29.231 46.856,28.206 48.273,26.788 48.302,26.788 48.54,26.55 48.54,26.522 49.181,25.881 v1@49.181,25.431
DATA2-5_0: R2484.2 U31.G20 | length 9.7
  Top Layer w0.152: R2484.2@48.106,18.356 48.106,18.981 48.656,19.531 48.656,21.556 48.481,21.731 48.481,26.155 48.54,26.214 48.54,27.623 U31.G20@48.432,27.731
DATA2-6_0: R2493.2 U31.J18 | length 9.9
  Top Layer w0.152: v1@46.456,28.881 46.456,28.96 U31.J18@46.824,29.328 ; R2493.2@48.131,20.906 48.131,21.106 47.485,21.752 47.485,24.735 48.081,25.331 48.081,26.381 48.082,26.382 v1(48.133,26.382)
  Bottom Layer w0.152: v1@46.481,28.881 46.431,28.831 46.431,28.006 48.081,26.356 v1@48.081,26.331
  other v1: 46.456,28.931
DATA2-7_0: R2485.2 U31.G19 | length 11
  Top Layer w0.152: R2485.2@47.081,18.356 47.081,18.856 47.581,19.356 47.581,21.281 47.231,21.631 47.231,24.906 47.714,25.389 47.714,25.841 47.71,25.845 47.71,26.91 48.031,27.231 48.031,28.131 U31.G19@48.406,28.506
DATA2-8_0: R2492.2 U31.H20 | length 7.2
  Top Layer w0.152: R2492.2@47.081,20.906 46.831,21.156 46.831,24.881 47.46,25.51 47.46,25.736 47.456,25.74 47.456,27.131 47.631,27.306 U31.H20@47.631,27.706
DATA2-9_0: R2486.2 U31.J19 | length 10.8
  Top Layer w0.152: R2486.2@46.056,18.381 46.056,19.031 46.556,19.531 46.556,24.981 46.901,25.326 ; U31.J19@46.831,28.506 47.269,28.143 47.269,27.407 47.202,27.236 47.202,25.626 46.901,25.326
DATA2-11_0: R2487A.2 U31.K18 | length 10
  Top Layer w0.152: v1(45.656,29.681) 45.668,29.681 U31.K18@46.02,29.328 ; R2487A.2@46.056,20.906 46.056,21.431 46.181,21.556 46.181,25.231 46.682,25.732 v2(46.733,25.732)
  Bottom Layer w0.152: v1(45.656,29.681) 45.656,29.606 46.056,29.206 46.056,27.856 46.706,27.206 46.706,25.806 v2@46.681,25.781
DATA2-13_0: R2488.2 U31.K19 | length 8.4
  Top Layer w0.152: R2488.2@45.056,20.906 45.056,21.581 45.673,22.198 45.673,25.441 46.07,25.838 46.07,26.145 46.577,26.652 46.577,27.16 46.431,27.306 46.431,28.081 U31.K19@46.031,28.481
DATA2-14_0: R2506.2 U31.J20 | length 10.1
  Top Layer w0.152: R2506.2@45.056,18.356 45.056,19.056 45.556,19.556 45.556,21.117 45.556,21.681 45.927,22.052 45.927,25.336 46.324,25.733 46.324,26.04 46.835,26.55 46.835,27.702 U31.J20@46.831,27.706
DATA2-15_0: R2489.2 U31.L16 | length 10.9
  Top Layer w0.152: R2489.2@44.031,20.906 44.031,21.456 45.156,22.581 45.156,26.181 v2@45.181,26.206 ; v1(44.781,30.506) 44.831,30.506 U31.L16@45.241,30.916 ; U31.L16@45.216,30.916 U31.L16@45.216,30.925
  Bottom Layer w0.152: v1@44.831,30.481 45.206,30.106 45.206,29.331 45.031,29.156 45.031,26.356 v2(45.156,26.231)
DATA2-16_0: R2505.2 U31.L19 | length 11.2
  Top Layer w0.152: R2505.2@44.031,18.356 44.031,18.906 44.531,19.406 44.531,21.431 45.419,22.319 45.419,25.546 45.816,25.944 45.816,26.504 45.669,26.721 45.669,28.118 U31.L19@45.187,28.575
DATA2-17_0: R2490.2 U31.M18 | length 9.4
  Top Layer w0.152: R2490.2@43.031,20.906 43.031,21.431 44.537,22.937 44.537,25.899 44.495,25.941 44.495,26.611 44.831,26.946 44.831,28.91 U31.M18@44.412,29.328
DATA2-18_0: R2507.2 U31.L20 | length 10.4
  Top Layer w0.152: R2507.2@43.031,18.356 43.031,18.781 43.181,18.931 43.186,18.931 43.531,19.276 43.531,19.705 43.528,19.708 43.528,20.104 43.531,20.106 43.531,20.705 43.528,20.708 43.528,21.403 44.791,22.666 44.791,26.02 44.749,26.062 44.749,26.474 45.156,26.881 45.156,27.681 U31.L20@45.231,27.756
DATA2-19_0: R2491.2 U31.M20 | length 7.8
  Top Layer w0.152: R2491.2@42.006,20.906 42.006,21.281 43.774,23.049 43.774,25.512 43.724,25.562 43.724,25.657 43.724,26.199 44.431,26.906 U31.M20@44.431,27.706